# KiCad board GDI-STM.kicad_pcb
title: GDI-STM; date: 2025-08-29; rev: a; company: http://rusefi.com/
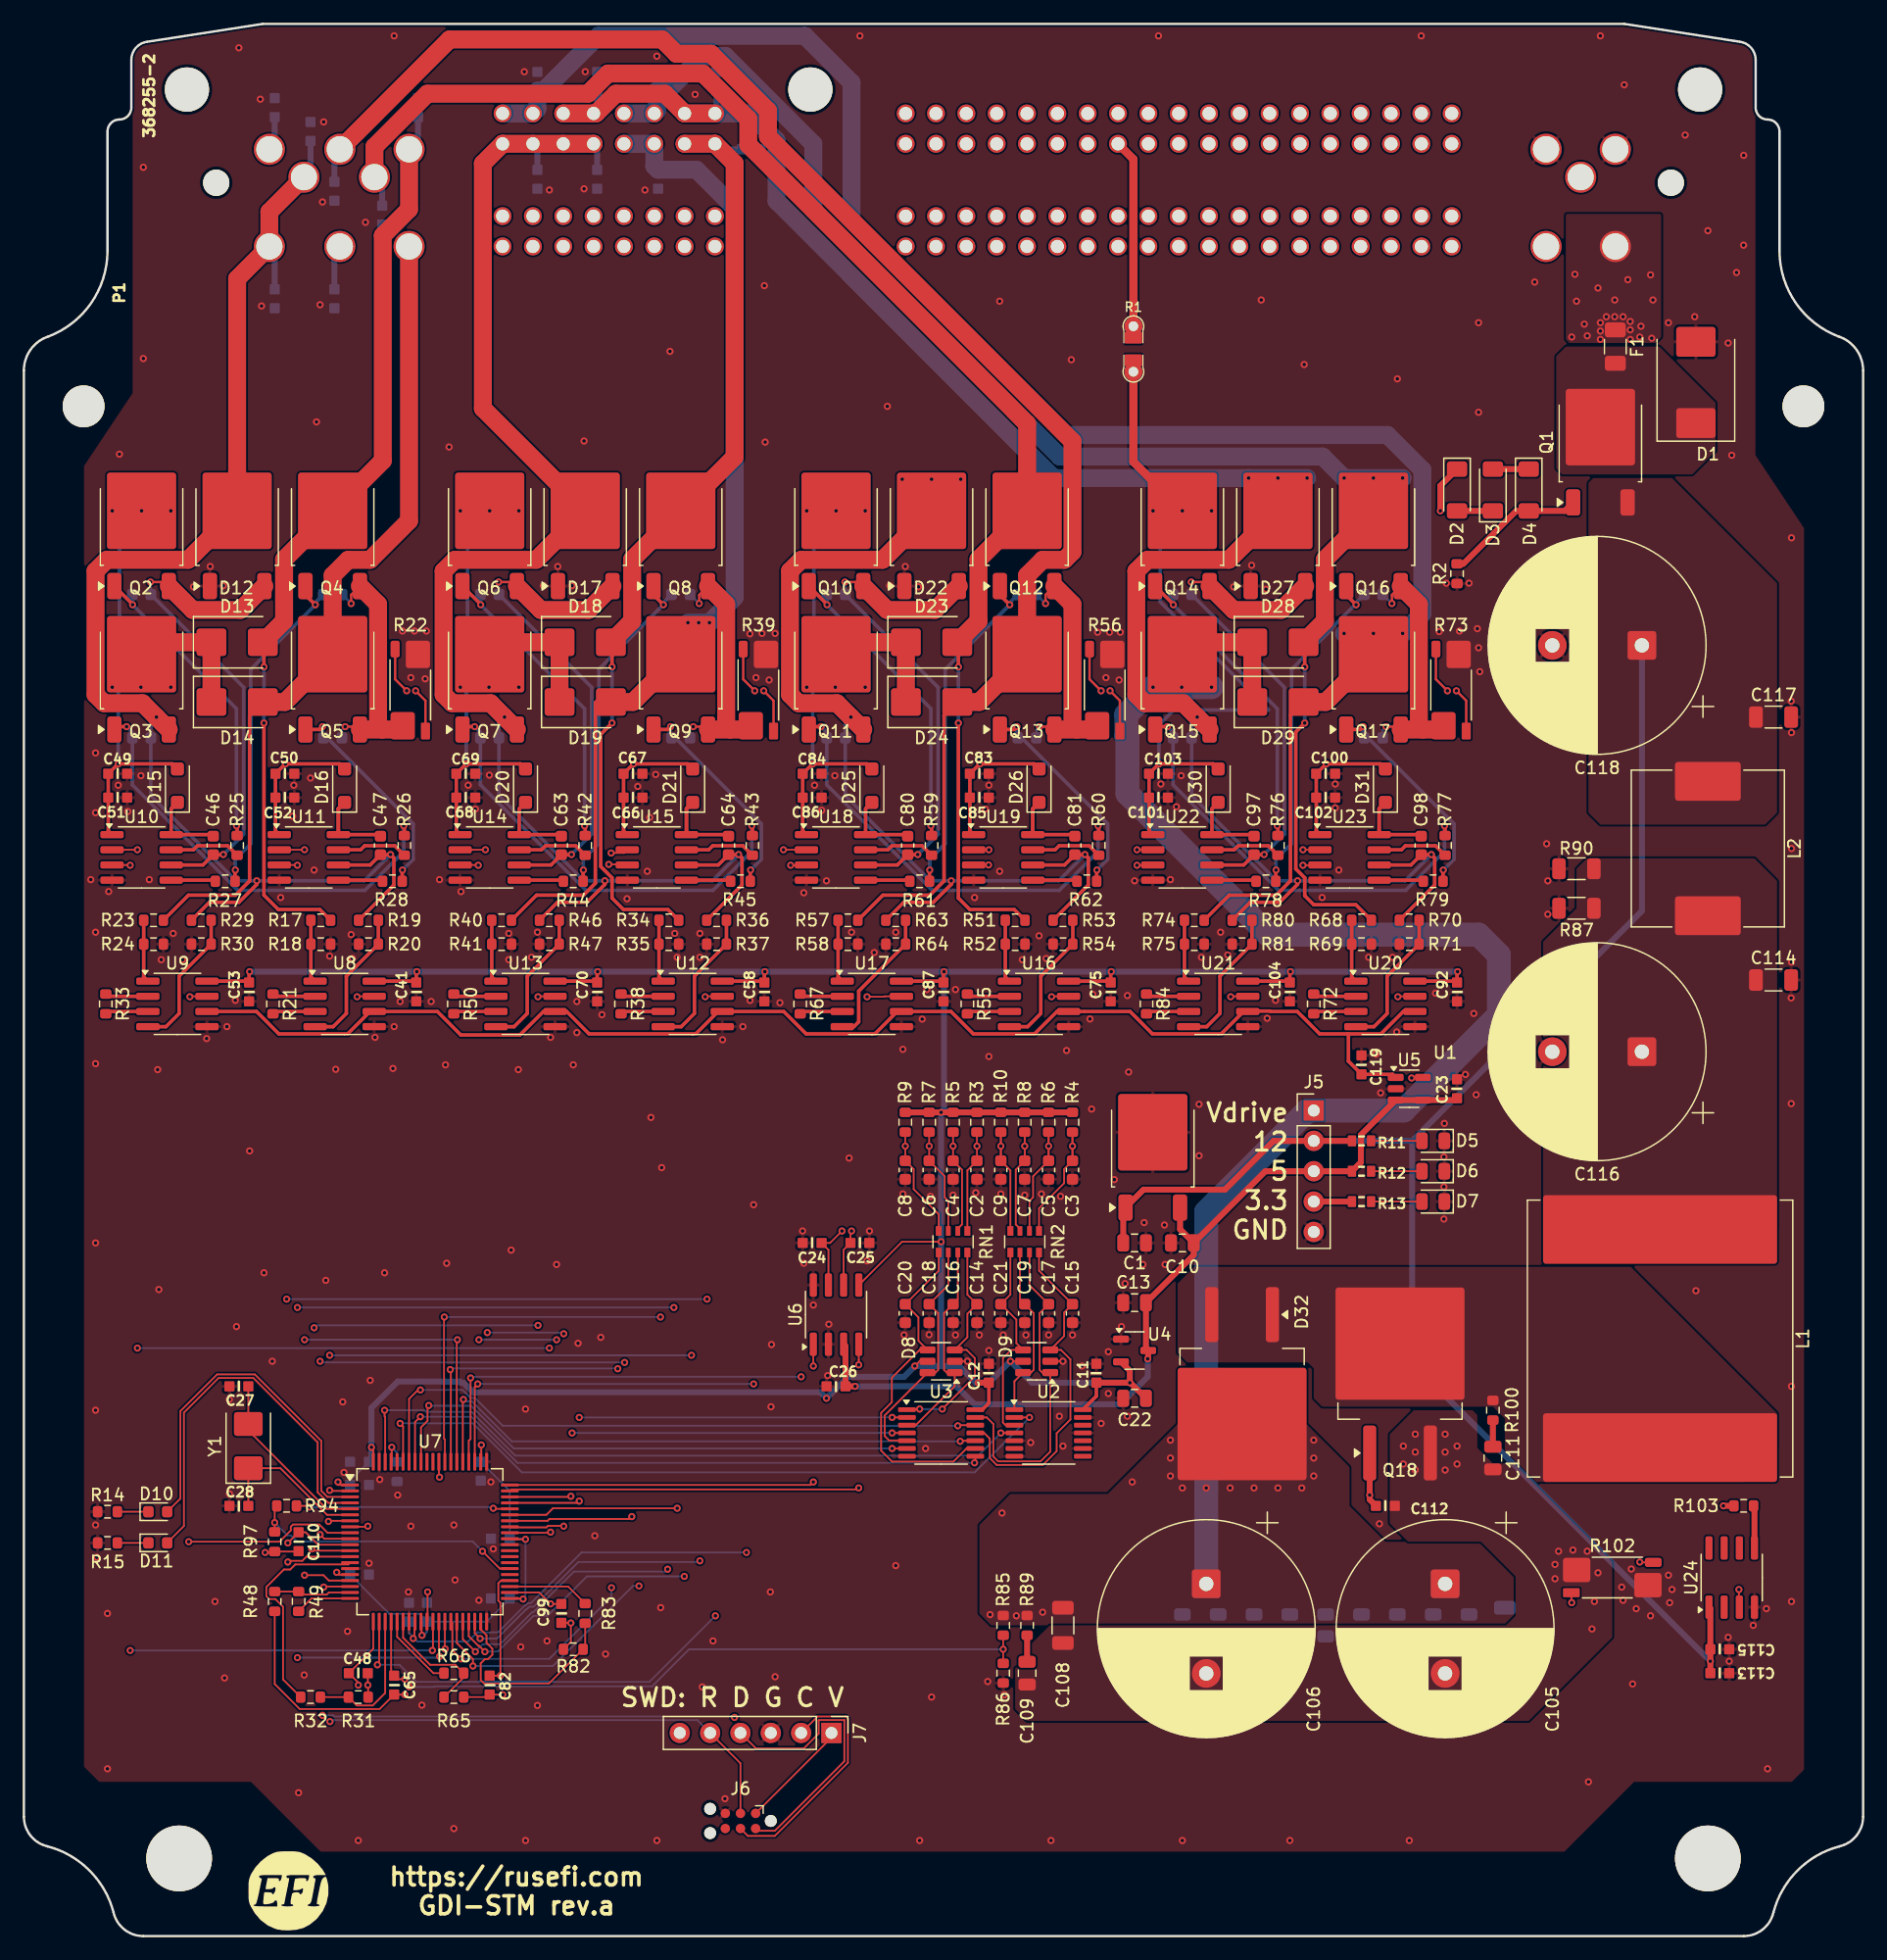
[diagram p0: board, top side]
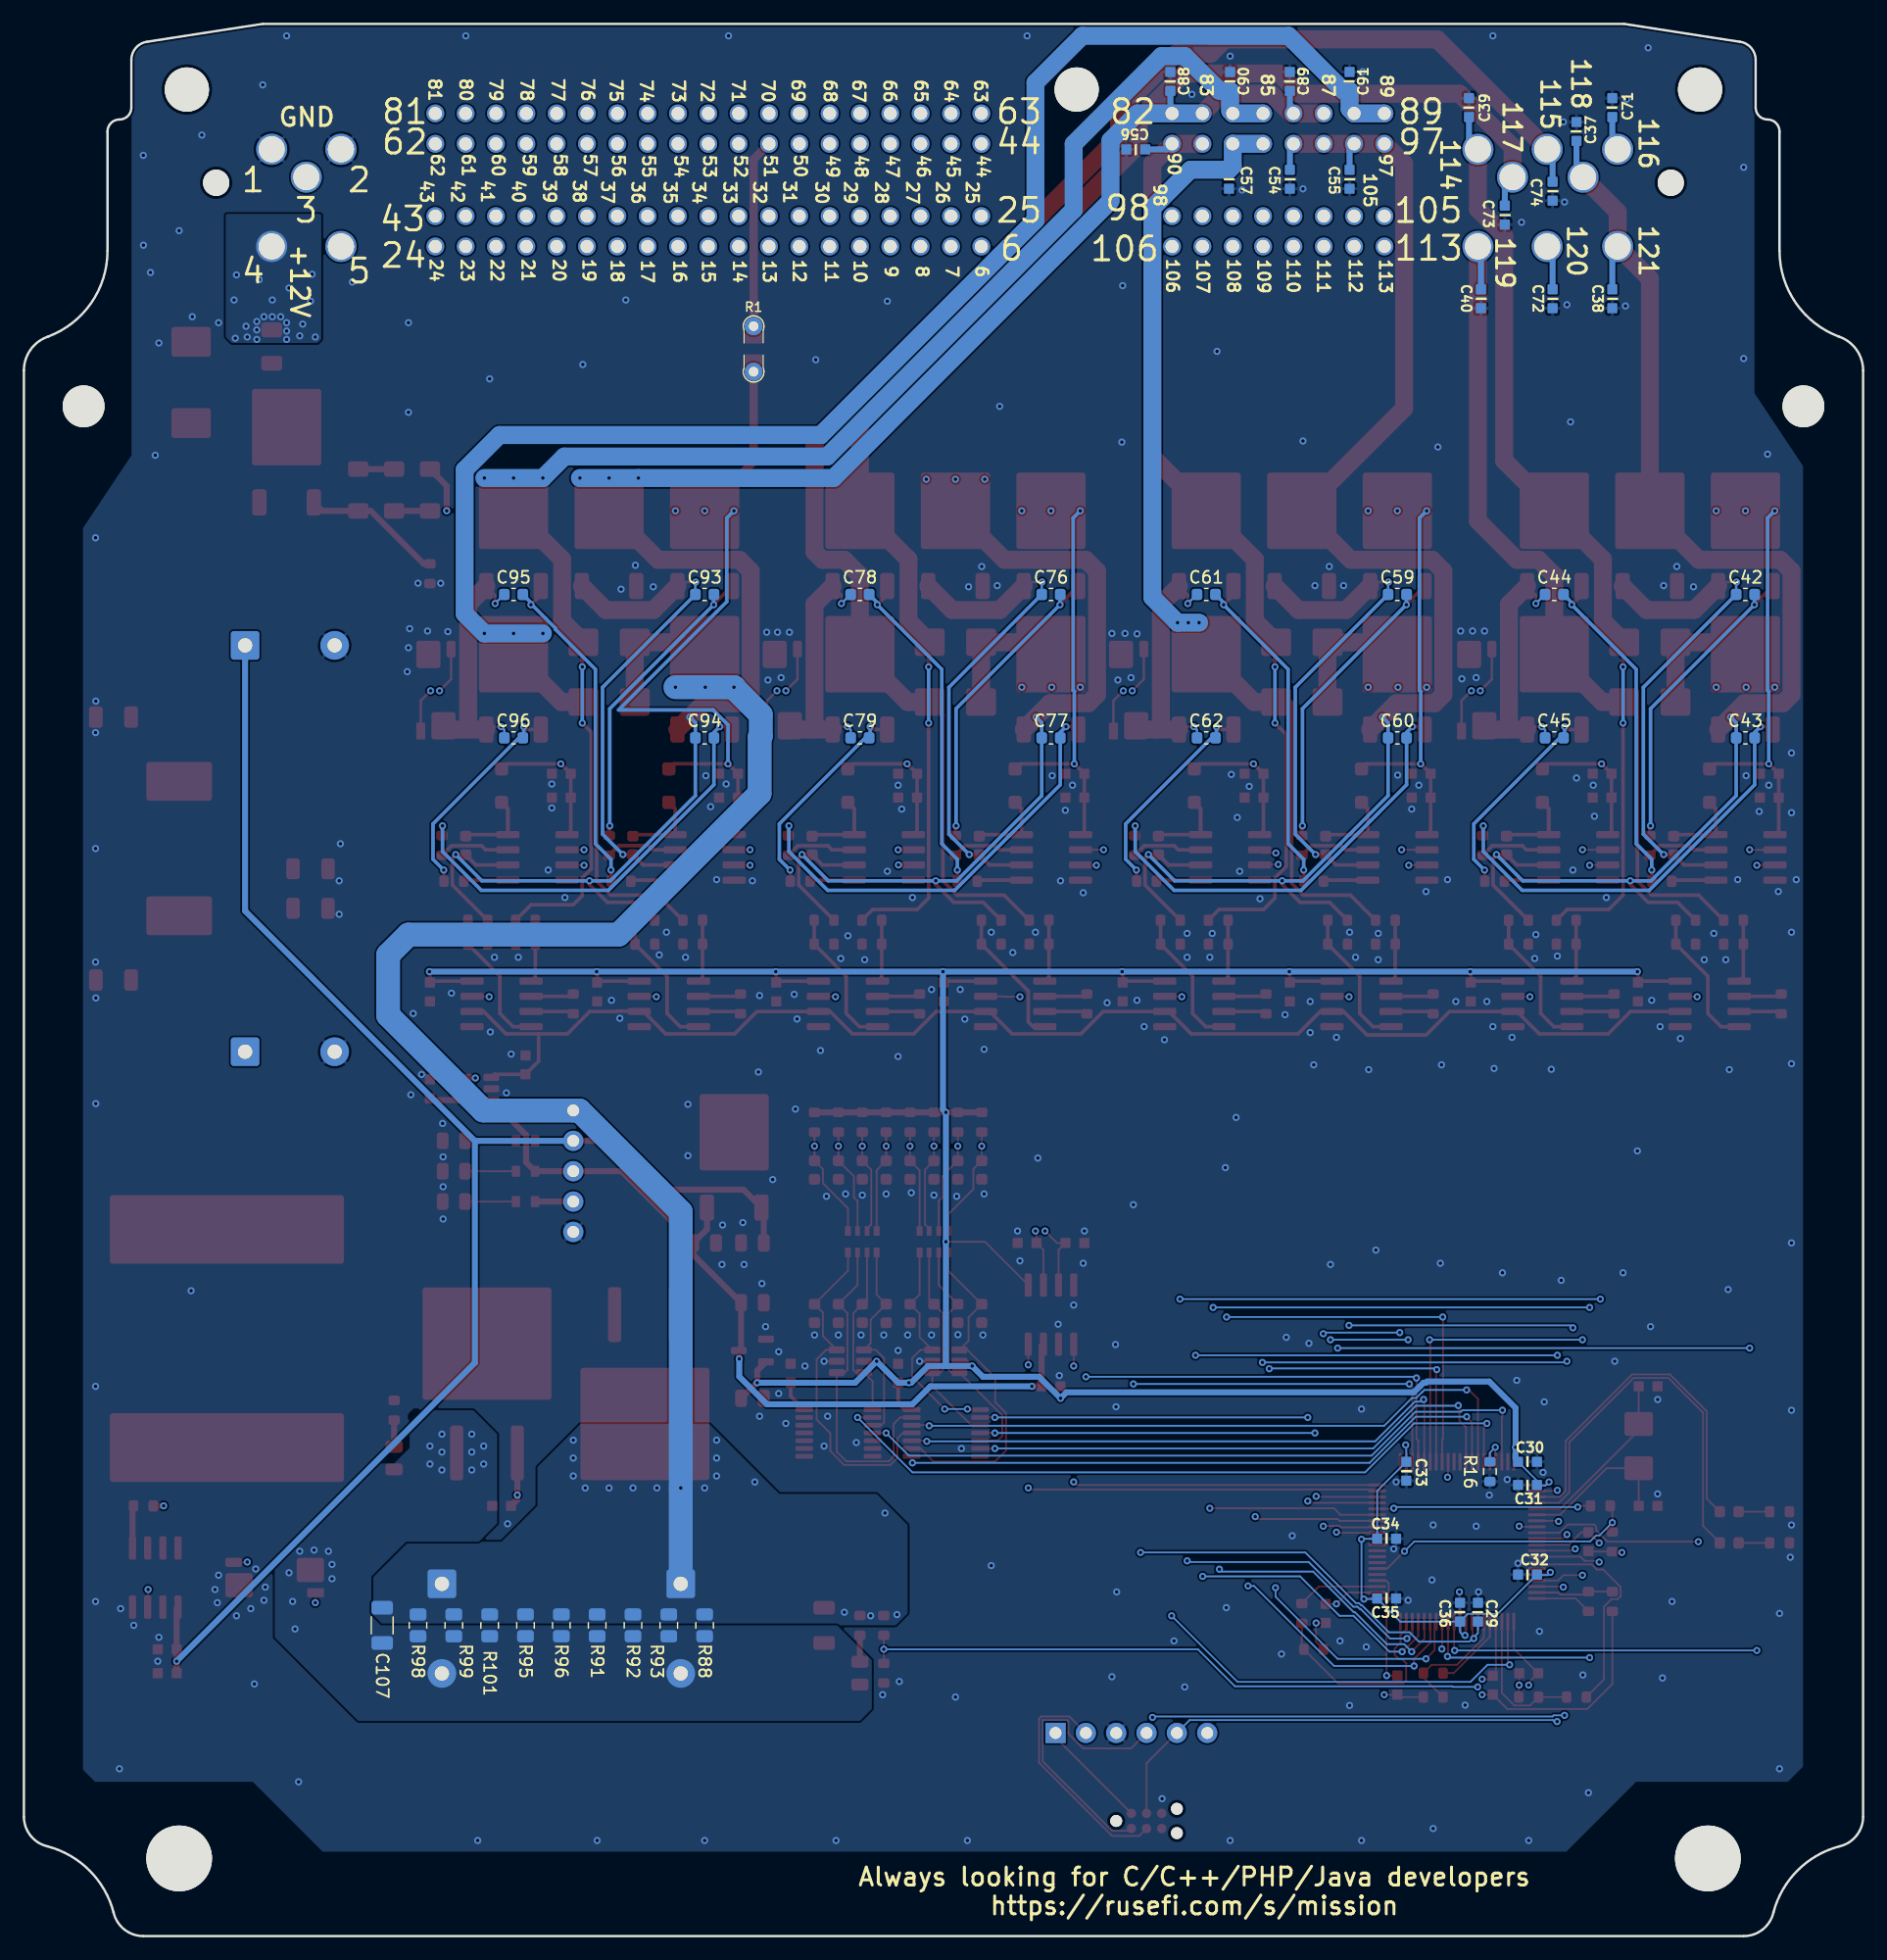
[diagram p1: board, bottom side, seen from below]

Outline 154 x 160 mm; copper layers: Top, GND (plane), PWR (plane), Bottom. Coordinates in mm from the lower left corner of the outline.
Outline path: 0,131 0,10 arc(0.56,8.4) 2,7.5 arc(5.49,5.49) 7.5,2 arc(8.4,0.56) 10,0 144,0 arc(145.6,0.56) 146.5,2 arc(148.51,5.49) 152,7.5 arc(153.44,8.4) 154,10 154,131 arc(153.43,132.75) 151.95,133.85 arc(148.36,136.65) 147,141 147,151 arc(146.71,151.71) 146,152 arc(145.29,152.29) 145,153 145,157 arc(144.63,157.99) 143.7,158.5 134,160 20,160 10.3,158.5 arc(9.37,157.99) 9,157 9,153 arc(8.71,152.29) 8,152 arc(7.29,151.71) 7,151 7,141 arc(5.64,136.65) 2.05,133.85 arc(0.57,132.75) 0,131
Stack: Top 0.035mm / dielectric 0.48mm FR4 er 4.5 / GND 0.035mm / dielectric 0.48mm FR4 er 4.5 / PWR 0.035mm / dielectric 0.48mm FR4 er 4.5 / Bottom 0.035mm

## Placement (name value [footprint] x y rotation side)
C1  10u  [C_0805_2012Metric]  93 58 180 top
C2  1000pF  [C_0603_1608Metric]  79.8 64.1 90 top
C3  1000pF  [C_0603_1608Metric]  87.8 64.1 90 top
C4  1000pF  [C_0603_1608Metric]  77.8 64.1 90 top
C5  1000pF  [C_0603_1608Metric]  85.8 64.1 90 top
C6  1000pF  [C_0603_1608Metric]  75.8 64.1 90 top
C7  1000pF  [C_0603_1608Metric]  83.8 64.1 90 top
C8  1000pF  [C_0603_1608Metric]  73.8 64.1 90 top
C9  1000pF  [C_0603_1608Metric]  81.8 64.1 90 top
C10  10u  [C_0805_2012Metric]  97 58 0 top
C11  100n  [C0603]  89.8 47.1 270 top
C12  100n  [C0603]  80.8 47.1 270 top
C13  10u  [C_0805_2012Metric]  93 53 0 top
C14  1000pF  [C_0603_1608Metric]  79.8 52.1 90 top
C15  1000pF  [C_0603_1608Metric]  87.8 52.1 90 top
C16  1000pF  [C_0603_1608Metric]  77.8 52.1 90 top
C17  1000pF  [C_0603_1608Metric]  85.8 52.1 90 top
C18  1000pF  [C_0603_1608Metric]  75.8 52.1 90 top
C19  1000pF  [C_0603_1608Metric]  83.8 52.1 90 top
C20  1000pF  [C_0603_1608Metric]  73.8 52.1 90 top
C21  1000pF  [C_0603_1608Metric]  81.8 52.1 90 top
C22  10u  [C_0805_2012Metric]  93 45 0 top
C23  100n  [C0603]  120 70.9 270 top
C24  47p  [C0603]  66 58 180 top
C25  47p  [C0603]  70 58 180 top
C26  100n  [C0603]  68 46 0 top
C27  12p  [C0603]  18 46 180 top
C28  12p  [C0603]  18 36 0 top
C29  100n  [C0603]  32.25 27.1 270 bottom
C30  4.7u  [C0603]  28.1 39.69 0 bottom
C31  100n  [C0603]  28.1 37.75 180 bottom
C32  100n  [C0603]  28.1 30.25 180 bottom
C33  100n  [C0603]  38.25 38.9 90 bottom
C34  100n  [C0603]  39.9 33.25 0 bottom
C35  100n  [C0603]  39.9 28.25 0 bottom
C36  100n  [C0603]  33.75 27.1 270 bottom
C37  4700p  [C0603]  24 151 270 bottom
C38  4700p  [C0603]  21 137 90 bottom
C39  4700p  [C0603]  33 153 270 bottom
C40  4700p  [C0603]  32 137 90 bottom
C41  100n  [C0603]  32.85 79 90 top
C42  1000pF  [C_0603_1608Metric]  9.85 112.26 180 bottom
C43  1000pF  [C_0603_1608Metric]  9.85 100.26 180 bottom
C44  1000pF  [C_0603_1608Metric]  25.85 112.26 180 bottom
C45  1000pF  [C_0603_1608Metric]  25.85 100.26 180 bottom
C46  0.33uF  [C_0603_1608Metric]  15.85 91.26 270 top
C47  0.33uF  [C_0603_1608Metric]  29.85 91.26 270 top
C48  330p  [C0603]  28 22 180 top
C49  1u  [C0603]  7.85 97.26 180 top
C50  1u  [C0603]  21.85 97.26 180 top
C51  100n  [C0603]  7.85 95.26 180 top
C52  100n  [C0603]  21.85 95.26 180 top
C53  100n  [C0603]  18.85 79 90 top
C54  4700p  [C0603]  48 147 90 bottom
C55  4700p  [C0603]  43 147 90 bottom
C56  4700p  [C0603]  60.9 149.5 180 bottom
C57  4700p  [C0603]  53.1 147 90 bottom
C58  100n  [C0603]  62 79 90 top
C59  1000pF  [C_0603_1608Metric]  39 112.26 180 bottom
C60  1000pF  [C_0603_1608Metric]  39 100.26 180 bottom
C61  1000pF  [C_0603_1608Metric]  55 112.26 180 bottom
C62  1000pF  [C_0603_1608Metric]  55 100.26 180 bottom
C63  0.33uF  [C_0603_1608Metric]  45 91.26 270 top
C64  0.33uF  [C_0603_1608Metric]  59 91.26 270 top
C65  330p  [C0603]  31 21 90 top
C66  1u  [C0603]  51 95.26 180 top
C67  1u  [C0603]  51 97.26 180 top
C68  100n  [C0603]  37 95.26 180 top
C69  100n  [C0603]  37 97.26 180 top
C70  100n  [C0603]  48 79 90 top
C71  4700p  [C0603]  21 153 270 bottom
C72  4700p  [C0603]  26 137 90 bottom
C73  4700p  [C0603]  30 144 90 bottom
C74  4700p  [C0603]  26 146 90 bottom
C75  100n  [C0603]  91 79 90 top
C76  1000pF  [C_0603_1608Metric]  68 112.26 180 bottom
C77  1000pF  [C_0603_1608Metric]  68 100.26 180 bottom
C78  1000pF  [C_0603_1608Metric]  84 112.26 180 bottom
C79  1000pF  [C_0603_1608Metric]  84 100.26 180 bottom
C80  0.33uF  [C_0603_1608Metric]  74 91.26 270 top
C81  0.33uF  [C_0603_1608Metric]  88 91.26 270 top
C82  330p  [C0603]  39 21 90 top
C83  1u  [C0603]  80 97.26 180 top
C84  1u  [C0603]  66 97.26 180 top
C85  100n  [C0603]  80 95.26 180 top
C86  100n  [C0603]  66 95.26 180 top
C87  100n  [C0603]  77 79 90 top
C88  4700p  [C0603]  58 155.19 270 bottom
C89  4700p  [C0603]  48 155.19 270 bottom
C90  4700p  [C0603]  53 155.19 270 bottom
C91  4700p  [C0603]  43 155.19 270 bottom
C92  100n  [C0603]  120 79 90 top
C93  1000pF  [C_0603_1608Metric]  97 112.26 180 bottom
C94  1000pF  [C_0603_1608Metric]  97 100.26 180 bottom
C95  1000pF  [C_0603_1608Metric]  113 112.26 180 bottom
C96  1000pF  [C_0603_1608Metric]  113 100.26 180 bottom
C97  0.33uF  [C_0603_1608Metric]  103 91.26 270 top
C98  0.33uF  [C_0603_1608Metric]  117 91.26 270 top
C99  330p  [C0603]  45 27 90 top
C100  1u  [C0603]  109 97.26 180 top
C101  1u  [C0603]  95 95.26 180 top
C102  100n  [C0603]  109 95.26 180 top
C103  100n  [C0603]  95 97.26 180 top
C104  100n  [C0603]  106 79 90 top
C105  470uF/200V  [CP_Radial_D18.0mm_P7.50mm]  119 29.48 270 top
C106  470uF/200V  [CP_Radial_D18.0mm_P7.50mm]  99 29.48 270 top
C107  0.22uF  [C_1206_3216Metric]  124 26 270 bottom
C108  0.22uF  [C_1206_3216Metric]  87 26 270 top
C109  330p  [C_0805_2012Metric]  84 22 270 top
C110  330p  [C0603]  23 33 90 top
C111  330p  [C_0805_2012Metric]  123 40 270 top
C112  470p  [C0603]  114 36 180 top
C113  1u  [C0603]  142 22 180 top
C114  0.22uF  [C_1206_3216Metric]  146.5 80 0 top
C115  100n  [C0603]  142 24 180 top
C116  2200uF/50V  [CP_Radial_D18.0mm_P7.50mm]  135.48 74 180 top
C117  0.22uF  [C_1206_3216Metric]  146.5 102 0 top
C118  2200uF/50V  [CP_Radial_D18.0mm_P7.50mm]  135.48 108 180 top
C119  100n  [C0603]  112 72.9 270 top
D1  SMCJ22CA  [D_SMC]  140 130 90 top
D2  ZMM5V6  [D_MiniMELF]  120 121 270 top
D3  ZMM5V6  [D_MiniMELF]  123 121 90 top
D4  ZMM5V6  [D_MiniMELF]  126 121 270 top
D5  LED_Small  [LED_0805_2012Metric]  118 66.54 180 top
D6  LED_Small  [LED_0805_2012Metric]  118 64 180 top
D7  LED_Small  [LED_0805_2012Metric]  118 61.46 180 top
D8  SRV05-4  [SOT-23-6]  76.8 48.1 180 top
D9  SRV05-4  [SOT-23-6]  84.8 48.1 180 top
D10  GREEN  [LED_0603_1608Metric]  11.21 35.51 0 top
D11  RED  [LED_0603_1608Metric]  11.21 32.9 0 top
D12  SBR10200CTL  [TO-252-2]  17.85 118 90 top
D13  SS520B  [D_SMB]  17.85 108.26 0 top
D14  SS520B  [D_SMB]  17.85 103.26 0 top
D15  ES1JFL  [D_SOD-123F]  12.85 96.26 90 top
D16  ES1JFL  [D_SOD-123F]  26.85 96.26 90 top
D17  SBR10200CTL  [TO-252-2]  47 118 90 top
D18  SS520B  [D_SMB]  47 108.26 0 top
D19  SS520B  [D_SMB]  47 103.26 0 top
D20  ES1JFL  [D_SOD-123F]  42 96.26 90 top
D21  ES1JFL  [D_SOD-123F]  56 96.26 90 top
D22  SBR10200CTL  [TO-252-2]  76 118 90 top
D23  SS520B  [D_SMB]  76 108.26 0 top
D24  SS520B  [D_SMB]  76 103.26 0 top
D25  ES1JFL  [D_SOD-123F]  71 96.26 90 top
D26  ES1JFL  [D_SOD-123F]  85 96.26 90 top
D27  SBR10200CTL  [TO-252-2]  105 118 90 top
D28  SS520B  [D_SMB]  105 108.26 0 top
D29  SS520B  [D_SMB]  105 103.26 0 top
D30  ES1JFL  [D_SOD-123F]  100 96.26 90 top
D31  ES1JFL  [D_SOD-123F]  114 96.26 90 top
D32  STTH802G-TR  [TO-263-2]  102 44.35 270 top
F1  20A  [Fuse_1206_3216Metric]  133.25 133 270 top
G1  RUSEFI_LOGO  [rusefi_logo]  22.14 3.76 0 top
J1  Conn_01x01  [MountingHole_3.5mm]  5 128 0 top
J2  Conn_01x01  [MountingHole_5.5mm]  13 6.5 0 top
J3  Conn_01x01  [MountingHole_3.5mm]  149 128 0 top
J4  Conn_01x01  [MountingHole_5.5mm]  141 6.5 0 top
J5  Conn_01x05  [PinHeader_1x05_P2.54mm_Vertical]  108 69.08 0 top  (not fitted)
J6  TC2030  [Tag-Connect_TC2030-IDC-NL_2x03_P1.27mm_Vertical]  60 9.63 180 top  (not fitted)
J7  Conn_01x06  [PinHeader_1x06_P2.54mm_Vertical]  67.62 17 270 top  (not fitted)
L1  10uH  [L_Changjiang_FXL2213]  137 50 270 top
L2  6.8uH  [L_Changjiang_FXL1360]  141 91 270 top
P1  368255-2  [TE_368255-2]  20.49 141.38 0 top
Q1  AOD4185  [TO-252-2]  132 125 90 top
Q2  IPD320N20N3G  [TO-252-2]  9.85 118 90 top
Q3  IPD320N20N3G  [TO-252-2]  9.85 106 90 top
Q4  IPD320N20N3G  [TO-252-2]  25.85 118 90 top
Q5  IPD320N20N3G  [TO-252-2]  25.85 106 90 top
Q6  IPD320N20N3G  [TO-252-2]  39 118 90 top
Q7  IPD320N20N3G  [TO-252-2]  39 106 90 top
Q8  IPD320N20N3G  [TO-252-2]  55 118 90 top
Q9  IPD320N20N3G  [TO-252-2]  55 106 90 top
Q10  IPD320N20N3G  [TO-252-2]  68 118 90 top
Q11  IPD320N20N3G  [TO-252-2]  68 106 90 top
Q12  IPD320N20N3G  [TO-252-2]  84 118 90 top
Q13  IPD320N20N3G  [TO-252-2]  84 106 90 top
Q14  IPD320N20N3G  [TO-252-2]  97 118 90 top
Q15  IPD320N20N3G  [TO-252-2]  97 106 90 top
Q16  IPD320N20N3G  [TO-252-2]  113 118 90 top
Q17  IPD320N20N3G  [TO-252-2]  113 106 90 top
Q18  IPB107N20N3G  [TO-263-2]  115.22 48.07 90 top
R1  DNP  [PAD-0805-PAD]  92.9 132.8 270 top
R2  10K  [R_0603_1608Metric]  120 114 90 top
R3  1K  [R_0603_1608Metric]  79.8 68.1 270 top
R4  1K  [R_0603_1608Metric]  87.8 68.1 270 top
R5  1K  [R_0603_1608Metric]  77.8 68.1 270 top
R6  1K  [R_0603_1608Metric]  85.8 68.1 270 top
R7  1K  [R_0603_1608Metric]  75.8 68.1 270 top
R8  1K  [R_0603_1608Metric]  83.8 68.1 270 top
R9  1K  [R_0603_1608Metric]  73.8 68.1 270 top
R10  1K  [R_0603_1608Metric]  81.8 68.1 270 top
R11  5.1k  [R0603]  112 66.54 180 top
R12  1.6k  [R0603]  112 64 180 top
R13  750  [R0603]  112 61.46 180 top
R14  1K  [R_0603_1608Metric]  7 35.51 0 top
R15  1K  [R_0603_1608Metric]  7 32.9 180 top
R16  10K  [R_0603_1608Metric]  31.25 38.86 270 bottom
R17  147k  [R_0603_1608Metric]  24.85 85 180 top
R18  1k  [R_0603_1608Metric]  24.85 83 0 top
R19  147k  [R_0603_1608Metric]  28.85 85 0 top
R20  1k  [R_0603_1608Metric]  28.85 83 180 top
R21  DNP  [R_0603_1608Metric]  20.85 78 270 top
R22  0.016  [R_Shunt_Vishay_WSK2512_6332Metric_T1.19mm]  32.35 104.26 90 top
R23  147k  [R_0603_1608Metric]  10.85 85 180 top
R24  1k  [R_0603_1608Metric]  10.85 83 0 top
R25  10  [R_0603_1608Metric]  17.85 91.26 90 top
R26  10  [R_0603_1608Metric]  31.85 91.26 90 top
R27  10  [R_0603_1608Metric]  16.85 88.26 0 top
R28  10  [R_0603_1608Metric]  30.85 88.26 0 top
R29  147k  [R_0603_1608Metric]  14.85 85 0 top
R30  1k  [R_0603_1608Metric]  14.85 83 180 top
R31  1.02k  [R_0603_1608Metric]  28 20 0 top
R32  7.15k  [R_0603_1608Metric]  24 20 0 top
R33  DNP  [R_0603_1608Metric]  6.85 78 270 top
R34  147k  [R_0603_1608Metric]  54 85 180 top
R35  1k  [R_0603_1608Metric]  54 83 0 top
R36  147k  [R_0603_1608Metric]  58 85 0 top
R37  1k  [R_0603_1608Metric]  58 83 180 top
R38  DNP  [R_0603_1608Metric]  50 78 270 top
R39  0.016  [R_Shunt_Vishay_WSK2512_6332Metric_T1.19mm]  61.5 104.26 90 top
R40  147k  [R_0603_1608Metric]  40 85 180 top
R41  1k  [R_0603_1608Metric]  40 83 0 top
R42  10  [R_0603_1608Metric]  47 91.26 90 top
R43  10  [R_0603_1608Metric]  61 91.26 90 top
R44  10  [R_0603_1608Metric]  46 88.26 0 top
R45  10  [R_0603_1608Metric]  60 88.26 0 top
R46  147k  [R_0603_1608Metric]  44 85 0 top
R47  1k  [R_0603_1608Metric]  44 83 180 top
R48  1.02k  [R_0603_1608Metric]  21 28 270 top
R49  7.15k  [R_0603_1608Metric]  23 28 90 top
R50  DNP  [R_0603_1608Metric]  36 78 270 top
R51  147k  [R_0603_1608Metric]  83 85 180 top
R52  1k  [R_0603_1608Metric]  83 83 0 top
R53  147k  [R_0603_1608Metric]  87 85 0 top
R54  1k  [R_0603_1608Metric]  87 83 180 top
R55  DNP  [R_0603_1608Metric]  79 78 270 top
R56  0.016  [R_Shunt_Vishay_WSK2512_6332Metric_T1.19mm]  90.5 104.26 90 top
R57  147k  [R_0603_1608Metric]  69 85 180 top
R58  1k  [R_0603_1608Metric]  69 83 0 top
R59  10  [R_0603_1608Metric]  76 91.26 90 top
R60  10  [R_0603_1608Metric]  90 91.26 90 top
R61  10  [R_0603_1608Metric]  75 88.26 0 top
R62  10  [R_0603_1608Metric]  89 88.26 0 top
R63  147k  [R_0603_1608Metric]  73 85 0 top
R64  1k  [R_0603_1608Metric]  73 83 180 top
R65  1.02k  [R_0603_1608Metric]  36 20 0 top
R66  7.15k  [R_0603_1608Metric]  36 22 0 top
R67  DNP  [R_0603_1608Metric]  65 78 270 top
R68  147k  [R_0603_1608Metric]  112 85 180 top
R69  1k  [R_0603_1608Metric]  112 83 0 top
R70  147k  [R_0603_1608Metric]  116 85 0 top
R71  1k  [R_0603_1608Metric]  116 83 180 top
R72  DNP  [R_0603_1608Metric]  108 78 270 top
R73  0.016  [R_Shunt_Vishay_WSK2512_6332Metric_T1.19mm]  119.5 104.26 90 top
R74  147k  [R_0603_1608Metric]  98 85 180 top
R75  1k  [R_0603_1608Metric]  98 83 0 top
R76  10  [R_0603_1608Metric]  105 91.26 90 top
R77  10  [R_0603_1608Metric]  119 91.26 90 top
R78  10  [R_0603_1608Metric]  104 88.26 0 top
R79  10  [R_0603_1608Metric]  118 88.26 0 top
R80  147k  [R_0603_1608Metric]  102 85 0 top
R81  1k  [R_0603_1608Metric]  102 83 180 top
R82  1.02k  [R_0603_1608Metric]  46 24 180 top
R83  7.15k  [R_0603_1608Metric]  47 27 270 top
R84  DNP  [R_0603_1608Metric]  94 78 270 top
R85  147k  [R_0603_1608Metric]  82 26 270 top
R86  1k  [R_0603_1608Metric]  82 22 270 top
R87  2K  [R_1206_3216Metric]  130 86 180 top
R88  360k  [R_0805_2012Metric]  97 26 270 bottom
R89  5.1  [R_0603_1608Metric]  84 26 90 top
R90  2K  [R_1206_3216Metric]  130 89.31 180 top
R91  360k  [R_0805_2012Metric]  106 26 270 bottom
R92  360k  [R_0805_2012Metric]  103 26 270 bottom
R93  360k  [R_0805_2012Metric]  100 26 270 bottom
R94  7.15k  [R_0603_1608Metric]  22 36 180 top
R95  360k  [R_0805_2012Metric]  112 26 270 bottom
R96  360k  [R_0805_2012Metric]  109 26 270 bottom
R97  1.02k  [R_0603_1608Metric]  21 33 270 top
R98  360k  [R_0805_2012Metric]  121 26 270 bottom
R99  360k  [R_0805_2012Metric]  118 26 270 bottom
R100  5.1  [R_0603_1608Metric]  123 44 90 top
R101  360k  [R_0805_2012Metric]  115 26 270 bottom
R102  0.016  [R_Shunt_Vishay_WSK2512_6332Metric_T1.19mm]  133 30 0 top
R103  10  [R_0603_1608Metric]  144 36 0 top
RN1  10k  [R_Array_Convex_4x0603]  77.8 58.1 270 top
RN2  10k  [R_Array_Convex_4x0603]  83.8 58.1 270 top
U1  LM78M05_TO252  [TO-252-2]  94.52 66 90 top
U2  74HC14  [TSSOP-14_4.4x5mm_P0.65mm]  85.8 42.1 0 top
U3  74HC14  [TSSOP-14_4.4x5mm_P0.65mm]  76.8 42.1 0 top
U4  XC6206P332MR  [SOT-23-3]  93 49 0 top
U5  REF2033  [SOT-23-5]  116 70.9 0 top
U6  TJA1051T-3  [SOIC-8_3.9x4.9mm_P1.27mm]  68 52 90 top
U7  STM32G474M_B-C-E_Tx  [LQFP-80_12x12mm_P0.5mm]  34 33 0 top
U8  INA826  [SOIC-8_3.9x4.9mm_P1.27mm]  26.85 78 0 top
U9  INA826  [SOIC-8_3.9x4.9mm_P1.27mm]  12.85 78 0 top
U10  IRS21867S  [SOIC-8_3.9x4.9mm_P1.27mm]  9.85 90.26 0 top
U11  IRS21867S  [SOIC-8_3.9x4.9mm_P1.27mm]  23.85 90.26 0 top
U12  INA826  [SOIC-8_3.9x4.9mm_P1.27mm]  56 78 0 top
U13  INA826  [SOIC-8_3.9x4.9mm_P1.27mm]  42 78 0 top
U14  IRS21867S  [SOIC-8_3.9x4.9mm_P1.27mm]  39 90.26 0 top
U15  IRS21867S  [SOIC-8_3.9x4.9mm_P1.27mm]  53 90.26 0 top
U16  INA826  [SOIC-8_3.9x4.9mm_P1.27mm]  85 78 0 top
U17  INA826  [SOIC-8_3.9x4.9mm_P1.27mm]  71 78 0 top
U18  IRS21867S  [SOIC-8_3.9x4.9mm_P1.27mm]  68 90.26 0 top
U19  IRS21867S  [SOIC-8_3.9x4.9mm_P1.27mm]  82 90.26 0 top
U20  INA826  [SOIC-8_3.9x4.9mm_P1.27mm]  114 78 0 top
U21  INA826  [SOIC-8_3.9x4.9mm_P1.27mm]  100 78 0 top
U22  IRS21867S  [SOIC-8_3.9x4.9mm_P1.27mm]  97 90.26 0 top
U23  IRS21867S  [SOIC-8_3.9x4.9mm_P1.27mm]  111 90.26 0 top
U24  IRS21867S  [SOIC-8_3.9x4.9mm_P1.27mm]  143 30 90 top
Y1  20MHz  [Crystal_SMD_5032-2Pin_5.0x3.2mm]  18.79 41 90 top
